# Altium PCB LimeSDR_1v2.PcbDoc (part 7 of 9) (continued)
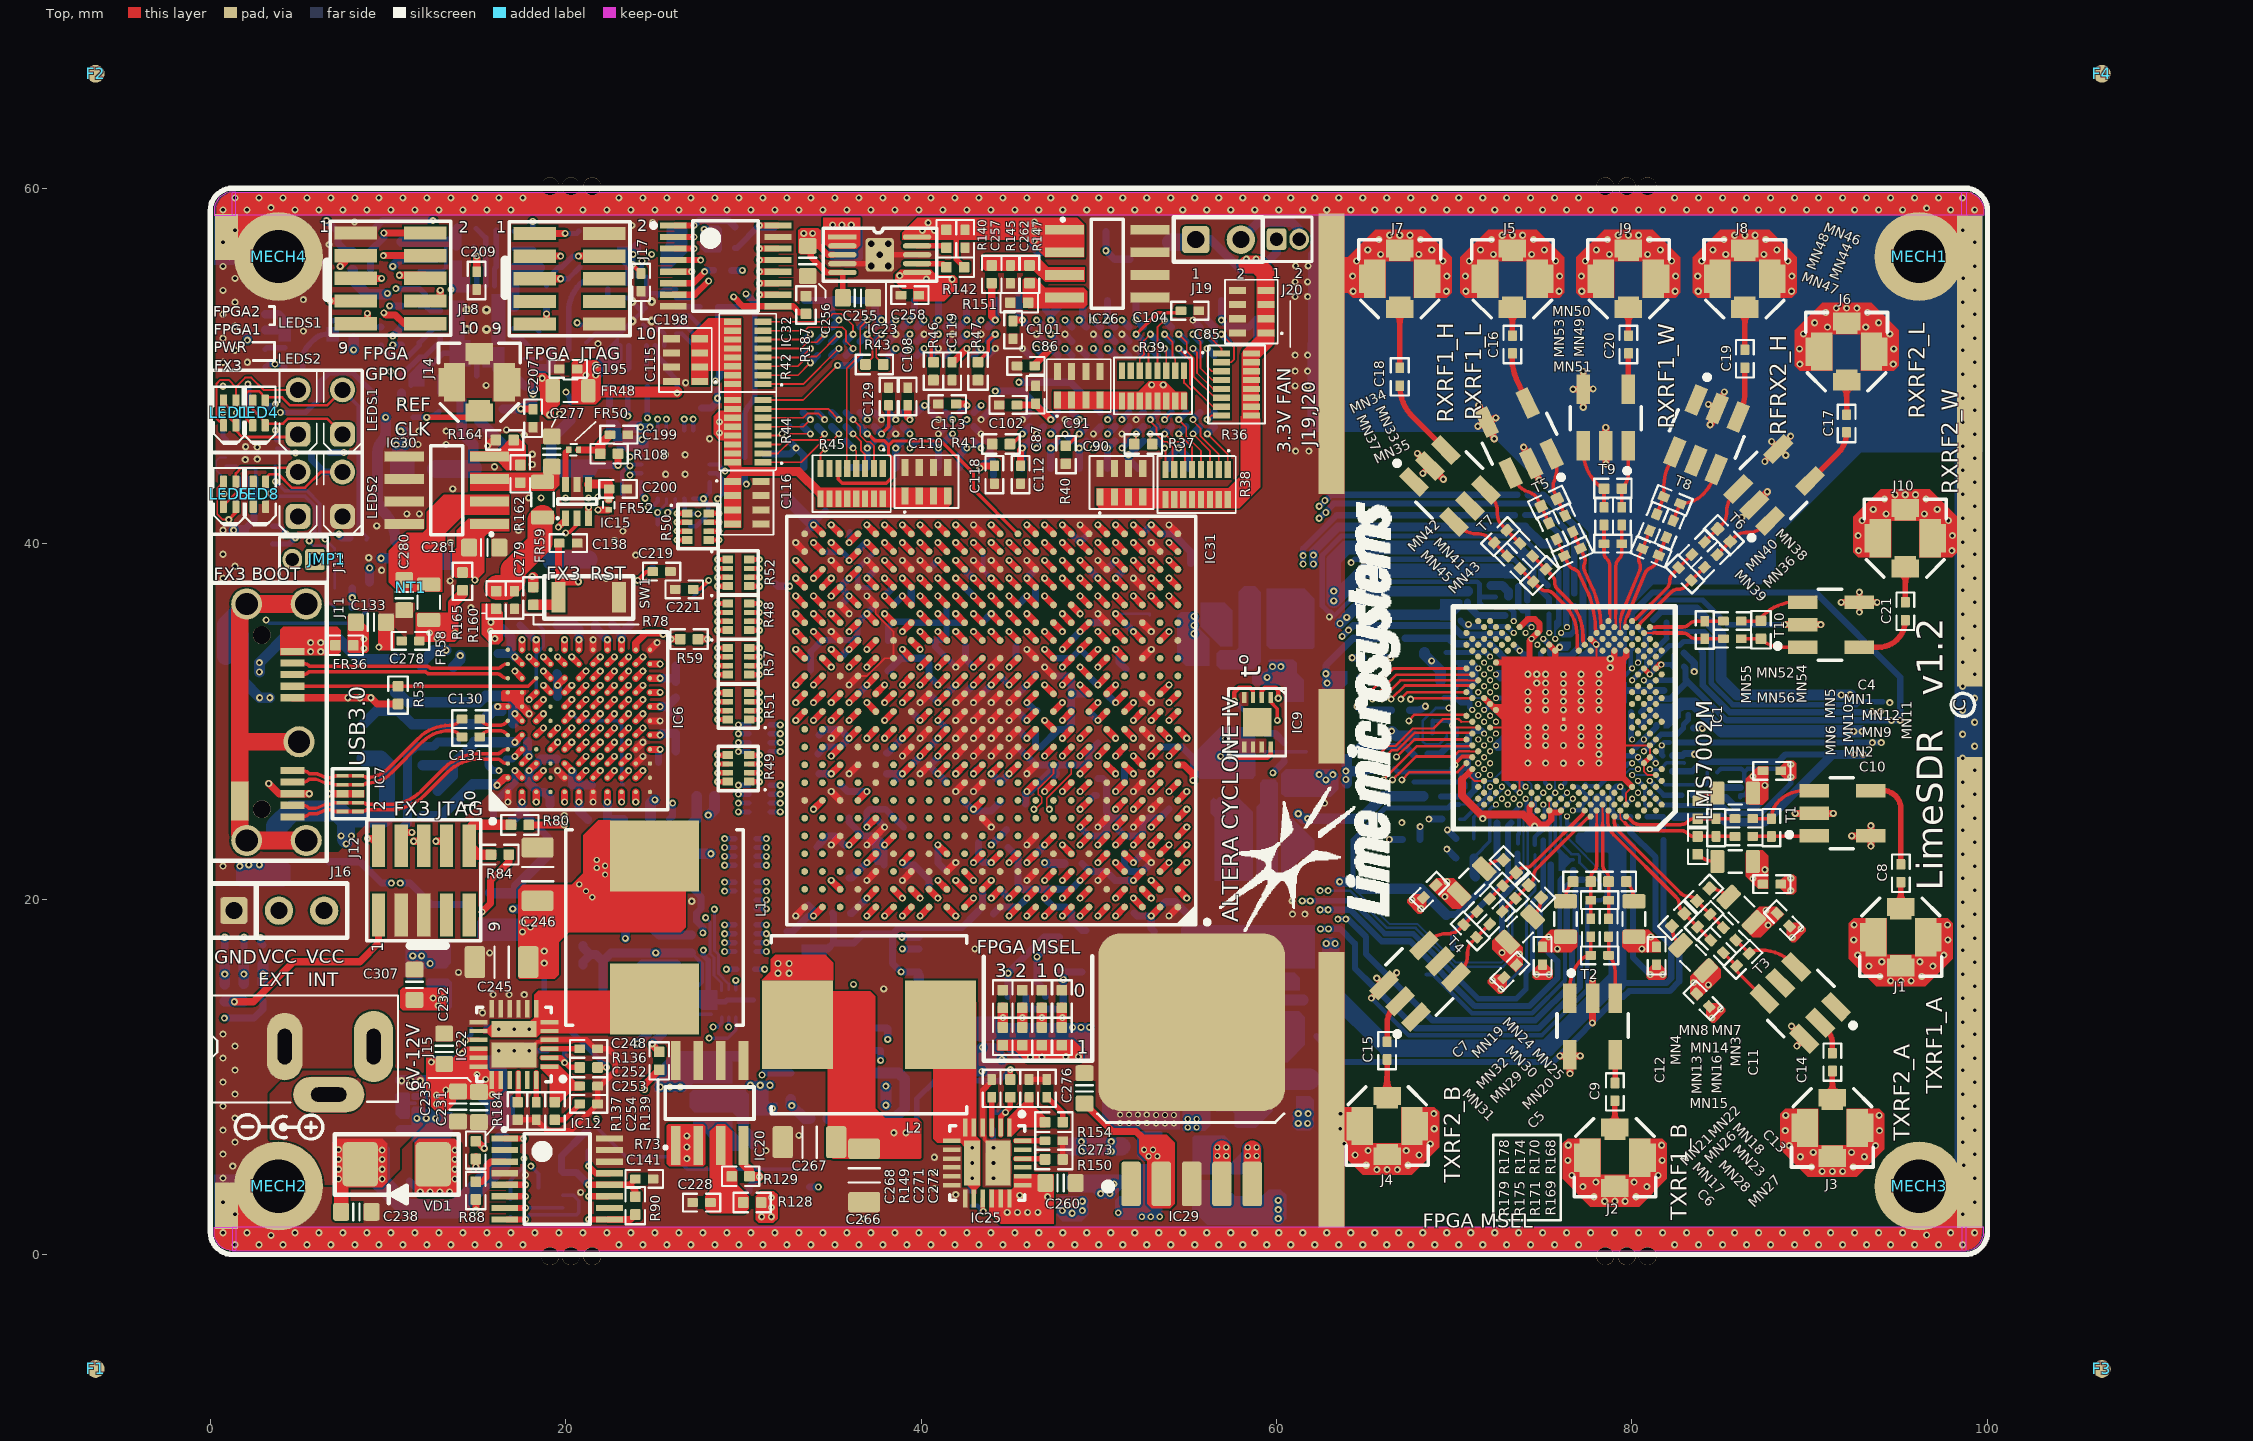
[diagram p0: Top view]
## Nets (pads, with @x,y where several pads share a name; then routed paths per layer and width w, separated by ;. In a path a pad name is that pad's centre, name@x,y a point inside that pad or via, vN(x,y) a via of type N, cw(c..) or ccw(c..) an arc to the next point about the centre after c; other vN are vias at no path point) (continued)
NetR95_1: R95.1 XT2.6 | length 2.7
  Bottom w0.6: R95.1@15.15,46.9 17,45.05 XT2.6@17,44.975
NetR96_2: R96.2 R102.2 XT2.4 XT3.3 XT4.3 | length 18.2
  L8 w0.3: v1(8.075,50.9) 8.8,50.175 8.8,40 v1(9.625,39.175)
  Bottom w0.6: v1(8.075,50.9) R102.2@8.075,51.525 ; v1(9.625,39.175) R96.2@10.425,39.175 XT3.3@12.7,39.175
  Bottom w1: XT3.3@12.7,39.1 12.775,39.025 XT2.4@14.8,39.025
REF_ADF: C202.2 IC13.13 | length 6.2
  Bottom w0.309: C202.2@20.175,50.9 20.175,53.039 cw(c22.405,53.039) 20.416,54.048 cw(c22.405,53.039) 20.828,54.615 cw(c21.877,53.323) 21.877,54.988 IC13.13@23.05,54.988
REF_CLK: C212.1 J14.1 R106.2 | length 4.6
  Top w0.309: v1(12.19,47.1) 14.245,47.1 ccw(c14.245,48.38) J14.1@15.15,47.475
  Bottom w0.309: R106.2@11.425,47.1 12.09,47.1 ccw(c12.09,48.21) C212.1@12.875,47.425
RXPLL_CLK: C185.2 R1.2 R101.1 | length 57.6
  L10 w0.1: v1(23.5,47.175) cw(c25.925,47.175) 25.925,49.6 27.81,49.6 cw(c27.81,47.06) 30.35,47.06 30.35,46.096 ccw(c32.89,46.096) 30.621,44.954 ccw(c32.89,46.096) 31.094,44.3 31.456,43.937 cw(c29.66,42.141) 32.2,42.141 32.2,34.553 ccw(c33.153,34.553) 33.153,33.6 64.225,33.6 cw(c64.225,33.575) v1(64.25,33.575)
  Bottom w0.309: v1(23.5,47.175) 23.5,47.763 R101.1@23.5,48.813
  Bottom w0.4: v1(64.25,33.575) R1.2@64.85,33.575
RXRF1_HAB_N: IC1.AJ15 MN43.1 MN45.2 | length 6.1
  Top w0.2: MN45.2@73.703,38.59 MN43.1@74.445,37.848 74.794,37.5 ccw(c75.153,37.859) 75.153,37.351 75.199,37.351 cw(c75.199,36.843) 75.558,37.202 76.158,36.602 cw(c74.344,34.789) 76.909,34.789 76.909,34.705 76.909,34.214 ccw(c77.25,34.214) IC1.AJ15@77.009,33.972
RXRF1_HAB_P: IC1.AK14 MN41.2 MN43.2 | length 6
  Top w0.2: MN41.2@74.41,39.297 MN43.2@75.153,38.555 75.501,38.207 cw(c75.141,37.848) 75.649,37.848 75.649,37.802 ccw(c76.157,37.802) 75.798,37.443 76.398,36.843 cw(c74.361,34.805) 77.242,34.805 77.242,34.722 77.242,34.547 ccw(c77.583,34.547) IC1.AK14@77.342,34.305
RXRF1_HBB_N: MN42.1 MN45.1 T7.6 | length 3.7
  Top w0.2: T7.6@70.005,41.199 70.213,40.992 ccw(c71.29,42.069) 71.29,40.545 71.383,40.545 cw(c71.383,39.664) 72.006,40.287 72.228,40.065 MN42.1@72.253,40.04 MN45.1@72.996,39.297
RXRF1_HBB_P: MN41.1 MN42.2 T7.4 | length 3.7
  Top w0.2: T7.4@71.776,43.021 71.984,42.813 cw(c70.906,41.735) 72.43,41.735 72.43,41.642 ccw(c73.311,41.642) 72.688,41.019 ; 72.713,40.994 MN42.2@72.961,40.747 73.42,40.287 MN41.1@73.703,40.004
RXRF1_LAB_N: IC1.AM12 MN35.1 MN37.2 | length 5.8
  Top w0.2: MN37.2@75.755,40.245 76.199,39.294 76.407,38.847 ccw(c76.868,39.062) 76.694,38.585 76.737,38.569 cw(c76.563,38.092) 77.024,38.306 ; 77.037,38.278 77.53,37.221 cw(c72.932,35.248) 77.935,35.269 ccw(c78.277,35.269) IC1.AM12@78.035,35.027
RXRF1_LAB_P: IC1.AN11 MN33.2 MN35.2 | length 5.7
  Top w0.2: MN33.2@76.662,40.668 77.105,39.716 77.313,39.27 cw(c76.853,39.055) 77.33,38.882 77.315,38.839 ccw(c77.792,38.665) 77.332,38.45 77.838,37.365 cw(c73.24,35.391) 78.241,35.546 ccw(c78.582,35.546) IC1.AN11@78.341,35.304
RXRF1_LBB_N: MN34.1 MN37.1 T5.3 | length 3.7
  Top w0.2: T5.3@73.173,43.962 73.297,43.696 ccw(c74.678,44.34) 74.157,42.908 74.244,42.876 cw(c73.942,42.048) 74.741,42.42 MN34.1@74.889,42.103 MN37.1@75.333,41.152
RXRF1_LBB_P: MN33.1 MN34.2 T5.1 | length 3.7
  Top w0.2: T5.1@75.475,45.035 75.653,44.653 cw(c74.552,44.14) 75.693,43.724 75.618,43.517 ccw(c76.446,43.215) 75.647,42.843 MN34.2@75.795,42.526 76.07,41.937 MN33.1@76.239,41.574
RXRF1_WAB_N: IC1.AP10 MN51.2 MN53.2 | length 5.5
  Top w0.16: IC1.AP10@78.674,35.637 ccw(c78.428,35.884) 78.776,35.884 78.776,36.019 cw(c78.824,36.067) 78.756,36.067
  Top w0.2: MN53.2@78.426,41.042 MN51.2@78.426,39.992 78.426,39.5 ccw(c78.934,39.5) 78.575,39.141 78.607,39.109 cw(c78.248,38.749) 78.756,38.749 78.756,36.067
RXRF1_WAB_P: IC1.AN9 MN49.2 MN51.1 | length 5.9
  Top w0.14: IC1.AN9@79.007,35.304 ccw(c78.84,35.471) 79.076,35.471 79.076,35.769
  Top w0.16: 79.076,35.769 79.076,36.023 ccw(c79.028,36.071) 79.096,36.071
  Top w0.2: 79.096,36.071 79.096,38.749 cw(c79.604,38.749) 79.245,39.109 79.277,39.141 ccw(c78.918,39.5) 79.426,39.5 MN51.1@79.426,39.992 MN49.2@79.426,41.042
RXRF1_WBB_N: MN50.1 MN53.1 T9.3 | length 3.9
  Top w0.2: T9.3@77.256,45.502 77.256,45.197 ccw(c79.796,45.197) 78,43.401 78.226,43.175 ccw(c78.426,43.376) MN50.1@78.426,43.092 MN53.1@78.426,42.042
RXRF1_WBB_P: MN49.1 MN50.2 T9.1 | length 3.6
  Top w0.2: MN49.1@79.426,42.042 MN50.2@79.426,43.092 ccw(c78.533,43.986) 79.796,43.986 T9.1@79.796,45.502
RXRF2_HAB_N: IC1.AM8 MN47.1 MN48.2 | length 6.1
  Top w0.11: IC1.AM8@79.34,34.971 79.34,35.567
  Top w0.15: 79.34,35.567 cw(c80.399,35.567) 79.439,36.015
  Top w0.2: 79.421,36.046 79.515,36.249 ; 79.508,36.245 80.452,38.524 ; 80.437,38.487 ccw(c79.968,38.681) 80.437,38.876 80.42,38.918 cw(c80.889,39.113) 80.42,39.307 MN47.1@80.589,39.716 MN48.2@81.01,40.732
RXRF2_HAB_P: IC1.AN7 MN44.2 MN47.2 | length 5.6
  Top w0.14: 79.605,35.469 ccw(c79.837,35.469) IC1.AN7@79.673,35.304
  Top w0.15: 79.605,35.469 79.605,35.523 cw(c80.417,35.523) 79.681,35.866
  Top w0.2: 79.726,35.894 79.82,36.096 ; 79.819,36.106 80.751,38.357 cw(c81.221,38.162) 81.026,38.632 81.069,38.649 ccw(c80.874,39.119) 81.344,38.924 MN47.2@81.513,39.333 MN44.2@81.934,40.349
RXRF2_HBB_N: MN46.1 MN48.1 T8.6 | length 3.7
  Top w0.2: MN48.1@81.393,41.656 MN46.1@81.794,42.626 81.795,43.253 cw(c84.335,43.253) T8.6@82.538,45.049
RXRF2_HBB_P: MN44.1 MN46.2 T8.4 | length 4.5
  Top w0.2: MN44.1@82.317,41.273 82.47,41.643 MN46.2@82.718,42.243 ccw(c82.718,44.028) 83.98,42.766 84.004,42.789 ccw(c82.208,44.586) T8.4@84.748,44.586
RXRF2_LAB_N: IC1.AP6 MN39.1 MN40.2 | length 5.1
  Top w0.2: IC1.AP6@80.006,35.637 80.041,35.672 cw(c80.199,35.514) 80.199,35.737 81.983,37.522 ccw(c81.624,37.881) 82.132,37.881 82.132,37.927 cw(c82.64,37.927) 82.28,38.286 82.628,38.634 MN40.2@83.371,39.376
RXRF2_LAB_P: IC1.AN5 MN36.2 MN39.2 | length 5.1
  Top w0.2: IC1.AN5@80.339,35.304 80.374,35.339 ccw(c80.215,35.497) 80.439,35.497 82.223,37.281 cw(c82.582,36.922) 82.582,37.43 82.628,37.43 ccw(c82.628,37.938) 82.987,37.579 83.336,37.927 MN36.2@84.078,38.669
RXRF2_LBB_N: MN38.1 MN40.1 T6.3 | length 3.7
  Top w0.2: MN40.1@84.078,40.083 MN38.1@84.82,40.826 84.846,40.851 85.068,41.073 ccw(c84.445,41.697) 85.326,41.696 85.326,41.789 cw(c86.85,41.789) 85.772,42.867 T6.3@85.98,43.075
RXRF2_LBB_P: MN36.1 MN38.2 T6.1 | length 3.7
  Top w0.2: MN36.1@84.785,39.376 85.068,39.659 MN38.2@85.528,40.119 85.775,40.366 cw(c86.398,39.743) 86.398,40.624 86.491,40.624 ccw(c86.491,42.148) 87.568,41.071 T6.1@87.776,41.278
RXRF2_WAB_N: IC1.AM4 MN55.2 MN56.2 | length 4.6
  Top w0.11: IC1.AM4@80.672,34.971 81.226,34.971
  Top w0.2: 81.226,34.971 81.373,34.971 81.377,34.968 82.851,34.968 cw(c82.851,34.46) 83.21,34.819 83.243,34.787 ccw(c83.602,35.146) 83.602,34.638 MN55.2@84.094,34.638 MN56.2@85.144,34.638
RXRF2_WAB_P: IC1.AN3 MN52.2 MN55.1 | length 4.2
  Top w0.2: IC1.AN3@81.005,35.304 81.369,35.304 81.373,35.308 82.851,35.308 ccw(c82.851,35.816) 83.21,35.457 83.243,35.489 cw(c83.602,35.13) 83.602,35.638 MN55.1@84.094,35.638 MN52.2@85.144,35.638
RXRF2_WBB_N: MN54.1 MN56.1 T10.1 | length 3.5
  Top w0.2: MN56.1@86.144,34.638 86.544,34.638 MN54.1@87.194,34.638 ; MN54.1@87.254,34.643 ccw(c88.401,35.79) 88.401,34.168 T10.1@89.604,34.168
RXRF2_WBB_P: MN52.1 MN54.2 T10.3 | length 3.8
  Top w0.2: MN52.1@86.144,35.638 MN54.2@87.194,35.638 ; MN54.2@87.254,35.643 cw(c87.704,35.643) 87.386,35.961 87.389,35.964 cw(c89.185,34.168) 89.185,36.708 T10.3@89.604,36.708
SI5351_XTAL_N: C221.2 IC17.2 XT5.3 | length 15.3
  Top w0.2: C221.2@27.175,37.425 27.55,37.425 v1(28.05,37.925)
  L9 w0.2: v1(25.675,47) 25.575,46.9 25.575,46.151 25.075,45.651 25.075,44.001 23.925,42.851 23.925,41.274 26.2,38.999 26.2,38.4 26.675,37.925 v1(28.05,37.925)
  Bottom w0.2: IC17.2@25.675,46.375 v1(25.675,47) ; XT5.3@27.175,37 28.05,37.875 v1(28.05,37.925)
SI5351_XTAL_P: C219.2 IC17.1 XT5.1 | length 15.2
  Top w0.2: v1(24.05,37.925) 24.55,38.425 C219.2@24.9,38.425
  L9 w0.2: v1(24.05,37.925) 25.425,37.925 25.9,38.4 25.9,38.875 23.625,41.15 23.625,42.975 24.775,44.125 24.775,45.775 25.275,46.275 25.275,46.9 v1(25.175,47)
  Bottom w0.2: v1(24.05,37.925) 24.825,38.7 XT5.1@24.975,38.7 ; IC17.1@25.175,46.375 v1(25.175,47)
SI_CLK0: IC17.13 IC31.T2 | length 70
  Top w0.4: IC31.T2@53.45,34.55 v2(53.95,35.05)
  L10 w0.1: v1(25.75,41.75) 25.4,41.4 24.805,41.4 22.125,44.08 22.125,48.475 24.525,50.875 32.275,50.875 33.7,52.3 33.7,54.05 34.795,55.145 38.375,55.145 39.13,55.9 53.37,55.9 56.45,52.82 56.45,50.83 53.3,47.68 53.3,35.7 v2(53.95,35.05)
  Bottom w0.2: v1(25.75,41.75) 26.175,42.175 IC17.13@26.175,42.525
SI_CLK1: IC17.12 IC31.AA12 | length 39.8
  Top w0.4: v1(42.95,40.05) IC31.AA12@43.45,39.55
  L10 w0.1: v1(27.45,41.675) 27.355,41.675 22.725,46.305 22.725,48.226 24.774,50.275 31.675,50.275 33.775,48.175 41.25,48.175 42.2,47.225 42.2,41.95 42.475,41.675 42.475,40.525 v1(42.95,40.05)
  Bottom w0.25: IC17.12@26.675,42.525 26.7,42.5 26.7,41.875 26.9,41.675 v1(27.45,41.675)
SI_CLK2: IC17.9 IC31.T21 | length 15.1
  Top w0.4: v1(33.95,35.05) IC31.T21@34.45,34.55
  L3 w0.1: v1(28.55,42.525) 30.325,40.75 30.325,34.922 30.672,34.575 32.97,34.575 33.445,35.05 v1(33.95,35.05)
  Bottom w0.25: IC17.9@28.1,43.95 28.499,43.95 28.875,43.574 28.875,42.85 v1(28.55,42.525)
SI_CLK3: IC17.8 IC31.T22 | length 14.1
  Top w0.4: v1(32.95,35.05) IC31.T22@33.45,34.55
  L3 w0.1: v1(28.975,44.075) 28.975,42.4 30.525,40.85 30.525,35.005 30.755,34.775 32.675,34.775 v1(32.95,35.05)
  Bottom w0.25: IC17.8@28.1,44.45 28.6,44.45 v1(28.975,44.075)
SI_CLK4: IC17.19 R107.2 | length 8.3
  L4 w0.1: v1(23.625,44.875) cw(c23.625,44.09) 24.18,44.645 24.731,44.094 ccw(c26.527,45.89) 26.527,43.35 v1(30.175,43.35)
  Bottom w0.25: v1(23.625,44.875) 23.7,44.95 IC17.19@24.25,44.95 ; R107.2@30.025,43.875 R107.2@30.05,43.9
  Bottom w0.4: R107.2@30.075,43.85 30.075,43.45 v1(30.175,43.35)
SI_CLK5: IC17.17 IC31.G1 | length 43.3
  Top w0.4: IC31.G1@54.45,25.55 v2(54.95,26.05)
  L10 w0.1: v1(23.625,43.85) 24.897,43.85 27.1,41.647 27.1,41.045 29.9,38.245 29.9,35.63 31.25,34.28 31.25,33.5 32.05,32.7 49.795,32.7 54.95,27.545 v2(54.95,26.05)
  Bottom w0.25: v1(23.625,43.85) 23.725,43.95 IC17.17@24.25,43.95
SI_CLK6: IC17.16 IC31.AA11 | length 39
  Top w0.4: v1(43.95,40.05) IC31.AA11@44.45,39.55
  L10 w0.1: v1(24.475,42.55) 24.305,42.55 22.525,44.33 22.525,48.309 24.691,50.475 31.758,50.475 33.858,48.375 42.47,48.375 42.925,47.92 42.925,44.075 43.475,43.525 43.475,40.525 v1(43.95,40.05)
  Bottom w0.25: IC17.16@24.25,43.45 24.25,42.775 v1(24.475,42.55)
SI_CLK7: IC17.15 IC31.AB11 | length 39.4
  Top w0.4: v1(43.95,41.05) IC31.AB11@44.45,40.55
  L10 w0.1: v1(24.65,42.05) 24.48,42.05 22.325,44.205 22.325,48.392 24.608,50.675 31.841,50.675 33.941,48.575 43.07,48.575 43.725,47.92 43.725,41.275 v1(43.95,41.05)
  Bottom w0.25: v1(24.65,42.05) 24.874,42.05 25.175,42.351 IC17.15@25.175,42.525
TCXO_VC: R108.1 R113.2 XT2.1 XT3.1 XT4.1 | length 7.7
  Top w0.4: v1(22.95,44.4) R108.1@22.95,45.05
  Bottom w0.4: XT3.1@21.3,44.2 21.5,44.4 v1(22.95,44.4)
  Bottom w0.6: XT2.1@19.2,44.225 19.2,45.882 R113.2@20.26,46.943
  Bottom w1: XT2.1@19.2,44.225 21.275,44.225 XT3.1@21.3,44.2
TXPLL_CLK: C184.2 R4.2 R97.1 | length 56.7
  L10 w0.1: v1(24.6,47.075) cw(c25.445,47.075) 24.847,47.672 cw(c25.759,46.761) 25.759,48.05 27.073,48.05 cw(c27.073,45.51) 28.869,47.306 cw(c27.164,45.601) 29.575,45.601 29.575,45.594 ccw(c32.115,45.594) 30.091,44.059 ccw(c32.115,45.594) 30.319,43.797 31.009,43.107 cw(c28.985,41.573) 31.525,41.573 31.525,34.875 ccw(c33,34.875) 33,33.4 55.348,33.4 cw(c55.348,30.86) 57.144,32.656 58.256,31.544 ccw(c60.052,33.34) 60.052,30.8 64.404,30.8 ccw(c64.404,30.971) v1(64.525,30.85)
  Bottom w0.309: v1(24.6,47.075) R97.1@24.6,48.813
  Bottom w0.4: v1(64.525,30.85) ccw(c65.068,31.393) 65.068,30.625 R4.2@66.475,30.625
TXRF1_1AB_N: IC1.A7 MN5.1 MN10.1 MN12.1 | length 6.4
  Top w0.2: IC1.A7@79.673,24.648 79.708,24.613 79.756,24.613 80.001,24.369 ccw(c80.426,24.794) 80.426,24.193 82.755,24.193 ccw(c82.755,24.701) 83.114,24.342 83.147,24.374 cw(c83.506,24.015) 83.506,24.523 MN5.1@83.695,24.523 84.095,24.523 84.745,24.523 MN12.1@85.795,24.523
TXRF1_1AB_P: IC1.B8 MN6.1 MN9.2 MN10.2 | length 7.2
  Top w0.11: IC1.B8@79.34,24.981 79.34,24.626 ccw(c79.608,24.626) 79.418,24.436 79.568,24.286
  Top w0.2: 79.611,24.278 79.761,24.128 ccw(c80.426,24.794) 80.426,23.853 82.755,23.853 cw(c82.755,23.345) 83.114,23.704 83.147,23.672 ccw(c83.506,24.031) 83.506,23.523 MN6.1@83.695,23.523 84.745,23.523 MN9.2@85.795,23.523
TXRF1_1BB_N: MN11.1 MN12.2 T1.3 | length 4.2
  Top w0.2: MN12.2@86.795,24.523 MN11.1@87.845,24.523 cw(c89.245,24.523) 88.255,25.512 cw(c89.656,24.111) 89.656,26.093 T1.3@90.113,26.093
TXRF1_1BB_P: MN9.1 MN11.2 T1.1 | length 3.5
  Top w0.2: MN9.1@86.795,23.523 87.195,23.523 MN11.2@87.845,23.523 90.183,23.523 ccw(c90.183,23.625) T1.1@90.255,23.553
TXRF1_2AB_N: IC1.B10 MN21.1 MN26.2 MN28.2 | length 10.2
  Top w0.19: 78.626,24.481 78.626,24.865 cw(c78.79,24.865) IC1.B10@78.674,24.981
  Top w0.2: 78.626,24.481 ccw(c79.876,24.481) 78.992,23.597 82.472,20.117 ; 81.97,20.618 82.405,20.184 ; 82.518,20.071 cw(c82.159,19.712) 82.667,19.712 82.667,19.666 ccw(c83.175,19.666) 82.815,19.307 82.95,19.173 83.232,18.89 MN26.2@83.692,18.43 MN28.2@84.434,17.688
TXRF1_2AB_P: IC1.A9 MN22.1 MN23.2 MN26.1 | length 8.9
  Top w0.2: IC1.A9@79.007,24.648 79.007,24.373 ccw(c79.757,24.373) 79.227,23.843 82.713,20.357 ; 82.758,20.311 ccw(c83.118,20.671) 83.118,20.163 83.163,20.163 cw(c83.163,19.655) 83.523,20.014 83.657,19.88 83.939,19.597 MN26.1@84.399,19.137 MN23.2@85.142,18.395
TXRF1_2BB_N: MN27.1 MN28.1 T3.4 | length 3.5
  Top w0.2: MN28.1@85.142,16.981 MN27.1@85.884,16.238 85.884,16.01 ccw(c86.031,16.01) 85.927,15.906 T3.4@87.444,14.39
TXRF1_2BB_P: MN23.1 MN27.2 T3.6 | length 4
  Top w0.2: MN23.1@85.849,17.688 MN27.2@86.591,16.945 cw(c87.023,16.513) 87.023,17.124 87.249,17.124 cw(c87.249,14.584) 88.987,16.437 cw(c87.249,14.584) 89.032,16.393 cw(c87.249,14.584) 89.045,16.38 T3.6@89.24,16.186
TXRF2_1AB_N: IC1.C11 MN7.1 MN14.1 MN16.1 | length 6.5
  Top w0.11: 78.341,24.809 IC1.C11@78.341,25.314
  Top w0.14: 78.341,24.809 78.341,24.069 78.35,24.059
  Top w0.2: 78.35,24.059 78.35,21.924 ccw(c78.858,21.924) 78.499,21.565 78.532,21.533 cw(c78.173,21.173) 78.681,21.173 MN7.1@78.681,20.984 78.681,20.584 MN14.1@78.68,19.934 MN16.1@78.68,18.884
TXRF2_1AB_P: IC1.B12 MN8.1 MN13.2 MN14.2 | length 6.2
  Top w0.14: IC1.B12@78.008,24.981 cw(c77.979,24.952) 78.02,24.952 78.02,24.069 78.01,24.059
  Top w0.2: MN13.2@77.68,18.884 MN14.2@77.68,19.934 MN8.1@77.68,20.984 77.68,21.173 cw(c78.188,21.173) 77.829,21.533 77.862,21.565 ccw(c77.502,21.924) 78.01,21.924 78.01,24.059
TXRF2_1BB_N: MN15.1 MN16.2 T2.3 | length 3.6
  Top w0.2: MN16.2@78.68,17.884 MN15.1@78.68,16.834 cw(c77.787,15.941) 79.05,15.941 T2.3@79.05,14.424
TXRF2_1BB_P: MN13.1 MN15.2 T2.1 | length 4
  Top w0.2: T2.1@76.51,14.424 76.51,15.014 cw(c78.791,15.014) 77.178,16.626 cw(c77.681,16.124) MN15.2@77.68,16.834 77.68,17.484 MN13.1@77.68,17.884
TXRF2_2AB_N: IC1.B14 MN24.1 MN30.2 MN32.2 | length 7.4
  Top w0.2: MN32.2@71.993,20.007 MN30.2@72.736,20.749 MN24.1@73.478,21.492 73.612,21.626 cw(c73.971,21.266) 73.971,21.774 74.017,21.774 ccw(c74.017,22.282) 74.377,21.923 74.924,22.471 77.242,24.789 cw(c77.466,24.789) 77.307,24.947 IC1.B14@77.342,24.981
TXRF2_2AB_P: IC1.A13 MN25.1 MN29.2 MN30.1 | length 7.4
  Top w0.2: MN29.2@72.7,19.3 MN30.1@73.443,20.042 73.902,20.502 MN25.1@74.185,20.784 74.319,20.919 ccw(c73.96,21.278) 74.468,21.278 74.468,21.324 cw(c74.976,21.324) 74.617,21.683 75.164,22.23 77.482,24.548 ccw(c77.482,24.772) 77.64,24.614 IC1.A13@77.675,24.648
TXRF2_2BB_N: MN31.1 MN32.1 T4.4 | length 3.7
  Top w0.2: T4.4@68.295,17.397 68.503,17.605 cw(c69.58,16.528) 69.58,18.052 69.673,18.052 ccw(c69.673,18.933) 70.296,18.31 MN31.1@70.544,18.557 71.003,19.017 MN32.1@71.286,19.3
TXRF2_2BB_P: MN29.1 MN31.2 T4.6 | length 3.7
  Top w0.2: T4.6@70.091,15.601 70.299,15.809 ccw(c69.221,16.887) 70.745,16.887 70.745,16.979 cw(c71.626,16.979) 71.003,17.602 MN31.2@71.251,17.85 MN29.1@71.993,18.592
VCC1P2: C266.2 C267.2 C294.2 C295.2 C296.2 C297.1 C298.1 C368.1 C369.1 C370.1 C371.1 C372.1 C373.1 C374.1 C375.1 C376.1 C377.1 C378.1 C379.1 C380.1 C381.1 C386.1 C387.1 C388.1 C389.1 C390.1 C391.1 C392.1 C393.1 C394.1 C395.1 C396.1 C397.1 C398.1 C399.1 FR42.2 FR43.2 FR44.2 FR46.1 FR60.1 IC31.G12 IC31.H9 IC31.J10 IC31.J11 IC31.J12 IC31.J13 IC31.J14 IC31.J16 IC31.K9 IC31.K14 IC31.K15 IC31.L9 IC31.L14 IC31.L16 IC31.M9 IC31.M14 IC31.M15 IC31.N9 IC31.N14 IC31.P9 IC31.P10 IC31.P11 IC31.P12 IC31.P13 IC31.P14 IC31.R8 IC31.R10 IC31.R12 L2.2 R149.1 | length 108.7
  Top w0.309: R149.1@45.025,9.85 v1(45.025,10.4)
  Top w0.4: v2(38.95,27.05) IC31.J16@39.45,27.55 ; v2(38.95,29.05) IC31.L16@39.45,29.55 ; v2(39.95,28.05) IC31.K15@40.45,28.55 ; v2(39.95,30.05) IC31.M15@40.45,30.55 ; v2(40.95,27.05) IC31.J14@41.45,27.55 ; v2(40.95,28.05) IC31.K14@41.45,28.55 ; v2(40.95,29.05) IC31.L14@41.45,29.55 ; v2(40.95,30.05) IC31.M14@41.45,30.55 ; v2(40.95,31.05) IC31.N14@41.45,31.55 ; v2(40.95,32.05) IC31.P14@41.45,32.55 ; v2(41.95,27.05) IC31.J13@42.45,27.55 ; v2(41.95,32.05) IC31.P13@42.45,32.55 ; v2(42.95,25.05) IC31.G12@43.45,25.55 ; v2(42.95,27.05) IC31.J12@43.45,27.55 ; v2(42.95,32.05) IC31.P12@43.45,32.55 ; v2(42.95,33.05) IC31.R12@43.45,33.55 ; v2(43.95,27.05) IC31.J11@44.45,27.55 ; v2(43.95,32.05) IC31.P11@44.45,32.55 ; v2(44.95,27.05) IC31.J10@45.45,27.55 ; v2(44.95,32.05) IC31.P10@45.45,32.55 ; v2(44.95,33.05) IC31.R10@45.45,33.55 ; v2(45.95,26.05) IC31.H9@46.45,26.55 ; v2(45.95,28.05) IC31.K9@46.45,28.55 ; v2(45.95,29.05) IC31.L9@46.45,29.55 ; v2(45.95,30.05) IC31.M9@46.45,30.55 ; v2(45.95,31.05) IC31.N9@46.45,31.55 ; v2(45.95,32.05) IC31.P9@46.45,32.55 ; v1(46.95,34.05) IC31.R8@47.45,33.55
  L10 w1.5: 7.625,23.65 7.625,22.6 8.15,22.075 13.7,22.075 14.75,23.125 20.925,23.125 21.425,23.625 27.775,23.625
  L6 w0.4: v2(41.95,32.05) v2(42.95,33.05) ; v2(43.95,32.05) v2(44.95,33.05) 45.95,33.05 v1(46.95,34.05)
  Bottom w0.309: v1(38.475,6.85) v1(39.15,6.85) 39.771,7.471 39.771,8.766 40.775,9.77 44.395,9.77 44.6,9.975 v1(45.025,10.4)
  Bottom w0.4: C388.1@38.05,27.05 v2(38.95,27.05) ; C389.1@38.05,28.225 38.125,28.225 v2(38.95,29.05) ; C295.2@38.15,32.825 38.875,33.55 40.157,33.55 40.45,33.257 C376.1@40.45,32.55 ; 38.625,26.725 v2(38.95,27.05) ; C396.1@39.475,30.525 v2(39.95,30.05) ; v2(39.95,28.05) 39.95,28.025 C390.1@39.425,27.5 39.4,27.5 v2(38.95,27.05) ; C377.1@40.425,31.55 40.45,31.55 v2(40.95,31.05) ; C376.1@40.425,32.55 C376.1@40.45,32.55 ; C298.1@40.475,28.55 40.95,29.025 v2(40.95,29.05) 40.95,29.075 C379.1@41.45,29.575 40.975,30.05 v2(40.95,30.05) ; v2(40.95,28.05) 40.95,27.975 C395.1@40.475,27.5 40.925,27.05 v2(40.95,27.05) 41.375,26.625 C394.1@41.375,26.525 ; v2(40.95,32.05) C376.1@40.45,32.55 ; C373.1@41.475,31.55 41.475,31.575 v2(41.95,32.05) ; v2(41.95,27.05) 42.45,27.55 C393.1@42.45,27.575 ; C399.1@42.4,25.525 42.975,24.95 43.95,24.95 C397.1@44.5,25.5 ; C368.1@42.45,31.575 42.475,31.575 v2(42.95,32.05) ; C296.2@42.5,34.225 42.5,33.5 v2(42.95,33.05) C371.1@43.45,33.55 ; v2(42.95,27.05) 42.95,27.075 C392.1@43.45,27.575 ; C374.1@43.45,31.55 v2(43.95,32.05) ; C297.1@44.425,32.55 44.45,32.55 v2(44.95,32.05) ; C386.1@44.45,27.575 44.45,27.55 v2(43.95,27.05) 43.975,27.05 C398.1@44.5,26.525 44.5,26.6 v2(44.95,27.05) C391.1@45.45,27.55 ; v2(44.95,33.05) 45.35,33.45 C372.1@45.35,34.2 ; C387.1@45.45,28.55 v2(45.95,28.05) 46.45,27.55 47.15,27.55 47.4,27.3 46.15,26.05 v2(45.95,26.05) 45.875,25.975 C370.1@45.875,25.35 ; C378.1@45.475,29.55 45.475,29.525 v2(45.95,29.05) ; C381.1@45.475,30.5 45.5,30.5 v2(45.95,30.05) ; C375.1@45.5,31.55 45.5,31.6 v2(45.95,32.05) 46.4,32.5 C369.1@46.4,32.675 ; v2(45.95,31.05) 46.4,30.6 C380.1@46.525,30.6 ; C294.2@47.375,27.175 47.75,27.55 49.175,27.55 49.45,27.825 49.45,28.275 FR60.1@49.95,28.775
  Bottom w0.6: C294.2@47.4,27.175 C294.2@47.525,27.05
  Bottom w0.9: 7.65,24.475 9.775,24.475 FR42.2@9.95,24.65 FR43.2@9.95,27.55 ; FR44.2@8.675,27.9 9.6,27.9 FR43.2@9.95,27.55 ; FR43.2@9.975,27.525 FR43.2@9.95,27.55
  Bottom w1: 7.65,23.375 7.65,24.475
  Bottom w1.2: FR46.1@3.75,23.55 3.75,24.1 4.6,24.95 7.175,24.95 7.65,24.475
  other v1: 31.95,15.825 32.575,15.825 31.95,16.375 32.575,16.375 7.65,23.1 7.375,23.55 7.95,23.55
VCC1P2D: C299.2 C300.2 C301.2 C302.1 C303.1 C382.1 C383.1 C384.1 C385.1 FR60.2 IC31.E17 IC31.F6 IC31.U6 IC31.V17 | length 68.1
  Top w0.4: v2(37.95,23.05) IC31.E17@38.45,23.55 ; v2(37.95,37.05) IC31.V17@38.45,36.55 ; v2(48.95,24.05) IC31.F6@49.45,24.55 ; v2(48.95,35.05) IC31.U6@49.45,35.55
  L3 w0.4: v1(32.6,37.6) 32.65,37.55 37.45,37.55 v2(37.95,37.05) ; v2(37.95,23.05) 37.657,23.05 37.157,23.55 36.743,23.55 36.35,23.943 36.35,24.575 38.325,26.55 49.175,26.55 49.725,26 49.725,24.825 v2(48.95,24.05)
  L6 w0.4: v2(37.95,23.05) 38.45,23.55 38.45,36.55 v2(37.95,37.05) ; v2(48.95,24.05) 48.95,24.343 49.45,24.843 49.45,31.843 49.45,33.843 49.45,34.55 v2(48.95,35.05)
  Bottom w0.4: C301.2@31.825,37.725 31.95,37.6 v1(32.6,37.6) ; C299.2@35.95,24.55 35.95,24.343 36.743,23.55 37.475,23.55 C384.1@37.475,23.475 v2@37.925,23.025 ; 37.45,22.55 v2@37.925,23.025 ; C300.2@37.925,21.925 v2@37.925,23.025 ; v2(37.95,37.05) 38.425,37.525 C385.1@38.425,37.575 ; C303.1@48.45,34.575 48.475,34.575 v2(48.95,35.05) ; v2(48.95,24.05) 49.45,23.55 50.157,23.55 50.45,23.843 50.45,24.257 50.743,24.55 ; v2@48.975,35.05 C383.1@49.45,35.525 49.45,35.55 50.45,35.55 C302.1@50.475,35.525 ; FR60.2@49.95,26.775 50.225,26.775 50.425,26.575 50.425,24.868 50.743,24.55 ; C382.1@51.45,24.55 50.743,24.55
VCC1P4_LMS: FR16.1 FR17.2 FR24.2 FR33.2 FR34.2 FR35.2 R141.1 | length 158.5
  L5 w0.7: 61.675,19.975 61.675,21.075 66.65,26.05 67.525,26.05 69.025,27.55 69.025,31.119 67.7,32.444 67.7,35.4 64.875,38.225 62.625,38.225
  L5 w0.8: 62.5,38.35 62.625,38.225
  L5 w1.4: 62.7,26.925 62.375,26.925 61.25,28.05 61.25,37.1 62.5,38.35 62.5,39.15 65.3,41.95 80.75,41.95 84.375,38.325 87.55,38.325 89.594,36.281 89.594,35.049 91.943,32.7 94.5,32.7 95.5,31.7 95.5,30.275 95.1,29.875 94.8,29.875
  Bottom w0.3: v1(61.45,19.9) v1(61.9,19.9) 64.244,19.9 66.091,18.052 67.688,18.052 71.34,14.4 73.5,14.4 74.033,14.933 74.033,15.858 74.4,16.225 74.4,19.85 75.001,20.451 FR17.2@75.001,23.314
  Bottom w0.35: FR33.2@80.001,34.694 80.001,36.091 81.16,37.25 90.325,37.25 95.094,32.481 v1(95.094,30.056) 85.314,30.056 83.076,32.294 83.006,32.294 83.006,32.994 FR35.2@82.931,33.069 ; FR16.1@80.51,30.525 81.249,31.264 82.164,31.264 83.006,32.106 83.006,32.156 FR34.2@83.075,32.225
  Bottom w0.5: v1(62.072,38.85) v1(62.072,39.35) 62.072,39.548 63.449,40.925 73.977,40.925 74.92,39.982 FR24.2@75.658,39.982
  other v1: 62.775,26.7 62.4,27 63.175,27 94.6,30.05
VCC1P8: C222.1 C223.1 C224.1 C229.2 C305.2 C306.2 C307.2 C308.2 C309.2 C310.1 C350.1 C351.1 C352.1 C353.1 C354.1 C355.1 C356.1 C357.1 C358.1 C359.1 C360.1 C361.1 C362.1 C363.1 C364.1 C365.1 C366.1 C367.1 FR38.1 IC17.10 IC17.11 IC17.14 IC18.6 IC18.14 IC18.15 IC18.16 IC31.AA6 IC31.AB2 IC31.AB21 IC31.N4 IC31.P18 IC31.R4 IC31.T19 IC31.U4 IC31.V19 IC31.W4 IC31.W5 IC31.W9 IC31.W11 IC31.W12 IC31.W16 IC31.W18 IC31.Y14 IC31.Y19 R155.1 R166.2 | length 50.7
  Top w0.4: v2(33.95,41.05) IC31.AB21@34.45,40.55 ; v2(35.95,34.05) IC31.T19@36.45,34.55 ; v2(35.95,37.05) IC31.V19@36.45,36.55 ; v2(35.95,38.05) IC31.Y19@36.45,38.55 ; v2(36.95,32.05) IC31.P18@37.45,32.55 ; v2(36.95,38.05) IC31.W18@37.45,37.55 ; v2(38.95,38.05) IC31.W16@39.45,37.55 ; v2(40.95,39.05) IC31.Y14@41.45,38.55 ; v2(42.95,38.05) IC31.W12@43.45,37.55 ; v2(43.95,38.05) IC31.W11@44.45,37.55 ; v2(45.95,38.05) IC31.W9@46.45,37.55 ; v2(48.95,40.05) IC31.AA6@49.45,39.55 ; v2(49.95,38.05) IC31.W5@50.45,37.55 ; v2(50.95,31.05) IC31.N4@51.45,31.55 ; v2(50.95,34.05) IC31.R4@51.45,33.55 ; v2(50.95,36.05) IC31.U4@51.45,35.55 ; v2(50.95,38.05) IC31.W4@51.45,37.55 ; v2(52.95,41.05) IC31.AB2@53.45,40.55
  Bottom w0.15: v1(25.175,41.75) 25.675,42.25 IC17.14@25.675,42.525 ; v2(50.95,36.05) 52.875,36.05 C359.1@52.875,35.975
  Bottom w0.25: C224.1@25.175,41.1 v1(25.175,41.75) ; C223.1@27.025,40.975 27.351,40.975 28.025,41.649 28.025,42.25 v1(27.75,42.525) ; IC17.11@27.175,42.525 v1(27.75,42.525) ; IC17.10@28.1,43.45 28.1,42.875 v1(27.75,42.525) ; C352.1@43.5,39.55 43.5,38.5 v2(43.95,38.05)
  Bottom w0.3: v1(27.75,17.125) 27.75,16.825 28.025,16.55 28.025,14.65 27.9,14.525 ; IC18.15@28.2,14.325 28.2,14.225 28.979,14.225 29.079,14.325 IC18.6@30.55,14.325
  Bottom w0.4: C357.1@33.45,40.55 v2(33.95,41.05) ; R166.2@34.45,40.55 v2(33.95,41.05) ; C308.2@34.625,41.825 33.95,41.15 v2(33.95,41.05) ; C310.1@35.45,33.575 35.925,34.05 v2(35.95,34.05) ; C365.1@35.475,36.525 35.95,37 v2(35.95,37.05) C361.1@35.475,37.525 35.475,37.575 v2(35.95,38.05) ; C350.1@36.5,31.55 36.5,31.6 v2(36.95,32.05) ; v2(36.95,38.05) C364.1@37.45,38.55 ; v2(38.95,38.05) 39.45,37.55 39.45,36.55 C355.1@39.425,36.55 ; C366.1@40.45,38.55 v2(40.95,39.05) ; C356.1@42.45,38.525 42.925,38.05 v2(42.95,38.05) ; C353.1@46.45,36.525 46.45,37.55 v2(45.95,38.05) C351.1@46.45,38.55 ; C309.2@48.45,40.575 v2@48.95,40.075 ; v2(48.95,40.05) v2@48.95,40.075 ; C362.1@49.45,40.575 v2@48.95,40.075 ; C367.1@49.475,38.575 49.475,38.525 v2(49.95,38.05) ; C360.1@50.45,31.525 50.925,31.05 v2(50.95,31.05) ; v2(50.95,34.05) 51.15,33.85 51.15,33.325 C358.1@51.525,32.95 ; v2(50.95,38.05) C363.1@51.425,38.525 ; C354.1@52.45,40.575 52.475,40.575 v2(52.95,41.05) 53.45,40.55 54.157,40.55 55.175,39.532 C306.2@55.175,38.875
  Bottom w0.7: C305.2@32.414,42.586 v2(33.95,41.05)
  other v1: 31.625,8.225 30.4,9.525 30.95,9.525 31.5,9.525 12.825,14 12.55,14.425 13.1,14.425